# KiCad board P5S533-TVM ISA R101G.kicad_pcb (continued)
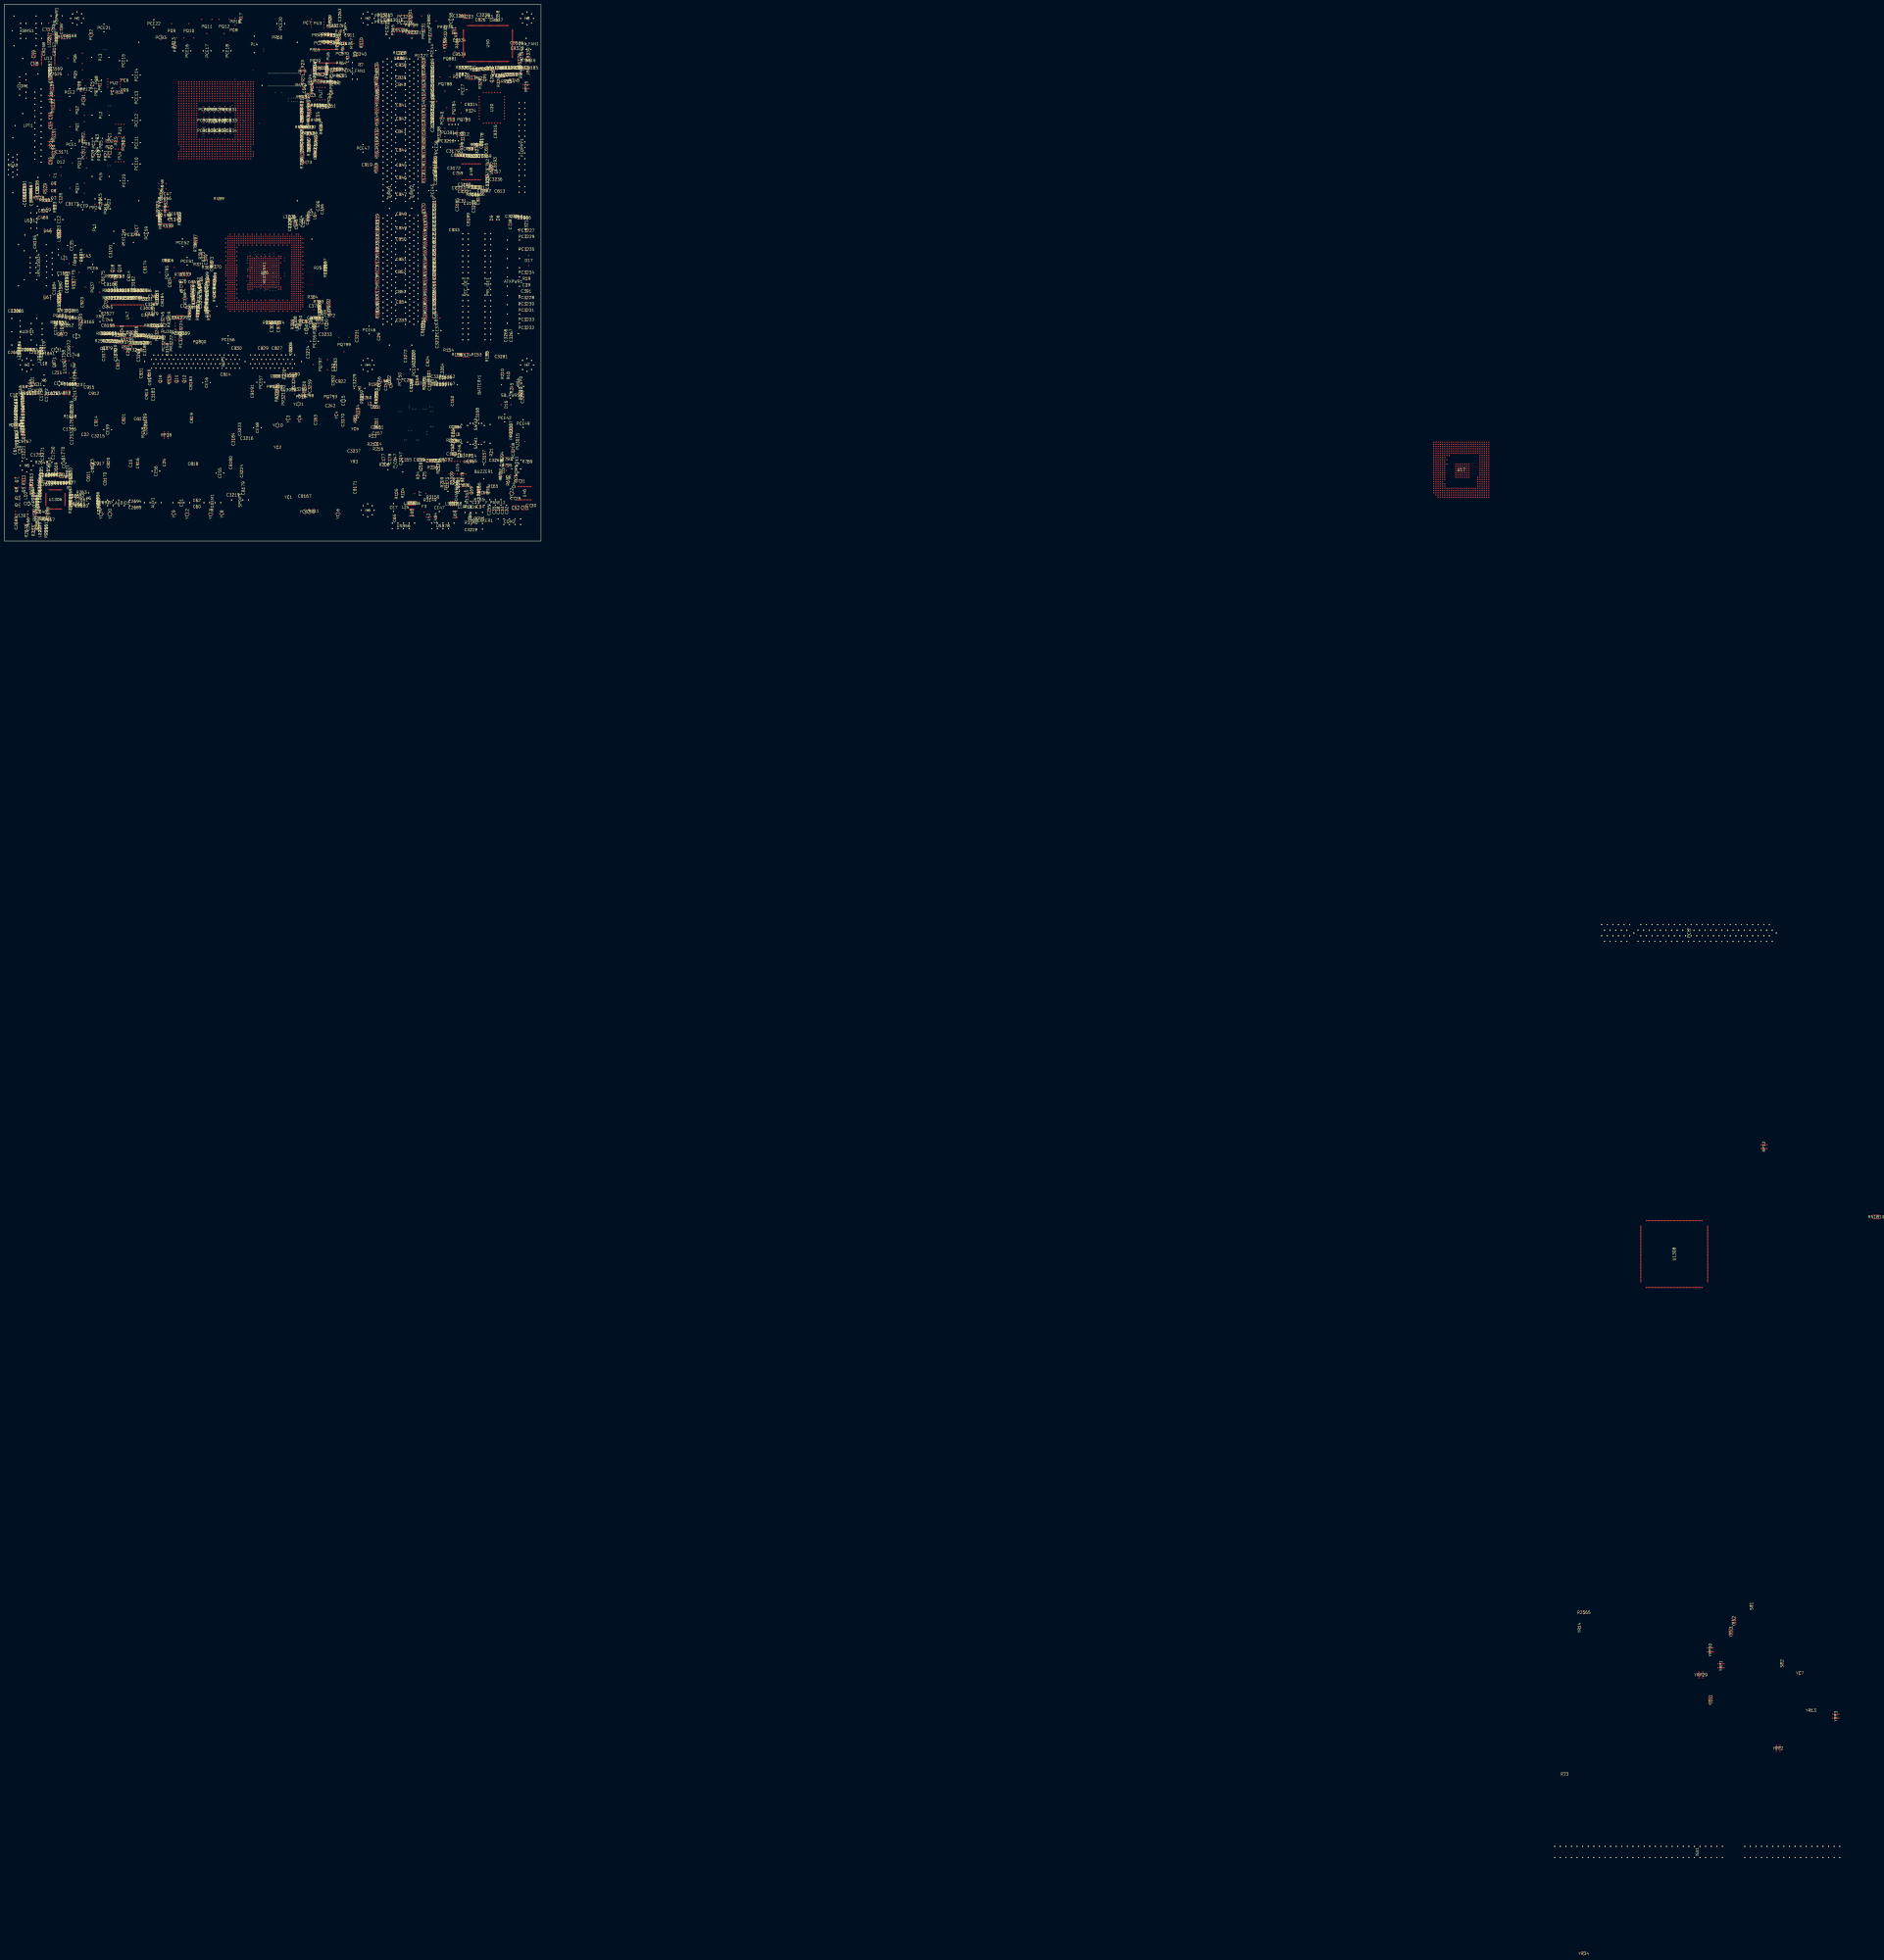
[diagram p0: board, top side]
## Nets (continued)
/MDD20: DIMM1.114 DIMM2.114 RN44.6 RN67.1
/MDD21: DIMM1.117 DIMM2.117 RN52.1 RN64.4
/MDD22: DIMM1.121 DIMM2.121 RN50.6 RN51.5
/MDD23: DIMM1.123 DIMM2.123 RN69.2 RN81.3
/MDD24: DIMM1.33 DIMM2.33 RN69.6 RN79.3
/MDD25: DIMM1.35 DIMM2.35 RN53.4 RN76.1
/MDD26: DIMM1.131 DIMM2.131 RN56.2 RN74.3
/MDD27: DIMM1.40 DIMM2.40 RN56.6 RN74.7
/MDD28: DIMM1.126 DIMM2.126 RN69.8 RN79.5
/MDD29: DIMM1.127 DIMM2.127 RN53.2 RN79.7
/MDD30: DIMM1.39 DIMM2.39 RN56.4 RN74.5
/MDD31: DIMM1.133 DIMM2.133 RN56.8 RN72.1
/MDD32: DIMM1.53 DIMM2.53 RN59.2 RN70.5
/MDD33: DIMM1.55 DIMM2.55 RN59.8 RN65.3
/MDD34: DIMM1.57 DIMM2.57 RN62.2 RN65.7
/MDD35: DIMM1.60 DIMM2.60 RN49.1 RN66.2
/MDD36: DIMM1.146 DIMM2.146 RN59.4 RN70.7
/MDD37: DIMM1.147 DIMM2.147 RN59.6 RN65.1
/MDD38: DIMM1.150 DIMM2.150 RN61.3 RN62.6
/MDD39: DIMM1.151 DIMM2.151 RN61.5 RN62.8
/MDD40: DIMM1.61 DIMM2.61 RN49.3 RN66.4
/MDD41: DIMM1.64 DIMM1.80 DIMM2.64 DIMM2.80 RN41.7 RN48.5 RN68.2 RN75.6
/MDD42: DIMM1.68 DIMM2.68 RN46.5 RN73.2
/MDD43: DIMM1.69 DIMM2.69 RN46.7 RN73.4
/MDD44: DIMM1.153 DIMM2.153 RN49.5 RN66.6
/MDD45: DIMM1.155 DIMM1.171 DIMM2.155 DIMM2.171 R223.2 RN41.5 RN48.3 RN75.4
/MDD46: DIMM1.161 DIMM2.161 RN45.1 RN73.6
/MDD47: DIMM1.162 DIMM2.162 RN45.3 RN73.8
/MDD48: DIMM1.72 DIMM2.72 RN45.5 RN71.2
/MDD49: DIMM1.73 DIMM2.73 RN45.7 RN71.4
/MDD50: DIMM1.79 DIMM2.79 RN41.3 RN75.2
/MDD56: DIMM1.83 DIMM2.83 RN38.1 RN80.4
/MDD57: DIMM1.84 DIMM2.84 RN38.3 RN80.6
/MDD58: DIMM1.87 DIMM2.87 RN36.5 RN82.6
/MDD59: DIMM1.88 DIMM2.88 RN36.7 RN82.8
/MDD62: DIMM1.178 DIMM2.178 RN36.1 RN82.2
/MDD63: DIMM1.179 DIMM2.179 RN36.3 RN82.4
/MDI0+: LAN_USB34.10 R1661.2
/MDI0-: LAN_USB34.11 R1662.2
/MDI1+: LAN_USB34.12 R1663.2
/MDI1-: LAN_USB34.13 R1664.2
/MDI2+: LAN_USB34.14 R1665.2
/MDI2-: LAN_USB34.15 R1666.2
/MDI3+: LAN_USB34.16 R1667.2
/MDI3-: LAN_USB34.17 R1668.2
/MDI_0+-: C1773.2 R1661.1 R1662.1
/MDI_1+-: C1774.2 R1663.1 R1664.1
/MDI_2+-: C1775.2 R1665.1 R1666.1
/MDI_3+-: C1781.2 R1667.1 R1668.1
/MEMCS16#: ISA1.63 U1308.67 YRN1.5
/MEMR#: ISA1.89 U1308.83 YRP29.7
/MEMW#: ISA1.90 U1308.82 YRP29.9
/MIC1_CEN: C2647.1 U1306.21
/MIC2_BASS: C2648.1 U1306.22
/MODEM_IN: C62.2 U1306.13
/MODEM_OUT: C60.2 U1306.37
/MSCLK: RN194.1 U17.227
/MSDATA: RN194.7 U17.203
/MSID0: LGA775.748 R479.2
/MSID1: LGA775.732 R502.2
/MTRA#: FLOPPY1.10 U50.4
/NB_PWROK: C10.1 C40.2 Q3021.3 R14.1 R15.2 RN1.8 U15.2 U26.239 U50.71
/NBAGPCLK: C775.2 R3539.2 U26.472
/NBHCLK: R2534.2 R2535.1 U26.187
/NBHCLK#: R2536.2 R2537.1 U26.189
/NBHVREF: C346.1 C347.1 C348.1 Q26.2 R369.1 R371.2 R506.2 U26.40 U26.609 U26.711 U26.760 U26.810
/NBZCLK: C763.2 R2541.2 U26.206
/NC__1364: D6.2
/NC__1365: U1308.33
/NC__1366: U1308.34
/NC__1367: YRP29.8
/NC__1368: YRP1.9
/NC__1369: PRN400.7
/NC__1370: PRN400.8
/NC__1371: RN10.5
/NC__1372: RN10.6
/NC__1373: RN10.7
/NC__1374: RN10.8
/NC__1375: RN13.7
/NC__1376: RN13.8
/NC__1377: RN12.1
/NC__1378: RN12.2
/NC__1379: RN29.3
/NC__1380: RN29.4
/NC__1381: RN54.7
/NC__1382: RN40.1
/NC__1383: RN40.3
/NC__1384: RN78.7
/NC__1385: RN78.8
/NC__1386: RN68.7
/NC__1387: RN68.8
/NC__1388: RN66.7
/NC__1389: RN66.8
/NC__1390: RN64.7
/NC__1391: RN64.8
/NC__1392: RN50.7
/NC__1393: RN50.8
/NC__1394: YRN2.7
/NC__1395: RN17.1
/NC__1396: RN17.2
/NC__1397: RN17.3
/NC__1398: RN17.4
/NC__1399: RN195.1
/NC__1400: RN195.2
/NC__1401: RN195.3
/NC__1402: RN195.4
/NC__1403: RN8.1
/NC__1404: RN8.2
/NC__1405: RN8.7
/NC__1406: RN8.8
/NC__1407: RN11.7
/NC__1408: RN11.8
/NC__1409: RN28.5
/NC__1410: RN28.6
/NC__1411: RN28.7
/NC__1412: RN28.8
/NC__1413: RP3.8
/NC__1414: RP3.9
/NC__1415: RP4.1
/NC__1416: RP4.6
/NC__1417: RP4.7
/NC__1418: RP4.8
/NC__1419: RP4.9
/NC__1420: RP28.2
/NC__1421: RP25.4
/NC__1422: RP25.7
/NC__1423: RP25.8
/NC__1424: PCI2.11
/NC__1425: PCI2.13
/NC__1426: PCI2.66
/NC__1427: PCI2.71
/NC__1428: PCI2.72
/NC__1429: PCI2.73
/NC__1430: PCI2.76
/NC__1438: AGP1.5
/NC__1439: AGP1.7
/NC__1440: AGP1.25
/NC__1441: AGP1.27
/NC__1442: AGP1.66
/NC__1443: AGP1.69
/NC__1444: AGP1.87
/NC__1445: AUDIO1.4
/NC__1446: AUDIO1.23
/NC__1447: AUDIO1.33
/NC__1448: KBMS1.2
/NC__1449: KBMS1.6
/NC__1450: KBMS1.8
/NC__1451: KBMS1.12
/NC__1452: USB78.10
/NC__1453: USB56.10
/NC__1454: FP_AUDIO1.7
/NC__1455: F_PANEL1.9
/NC__1456: PLED1.2
/NC__1457: DIMM2.9
/NC__1458: DIMM2.10
/NC__1459: DIMM2.44
/NC__1460: DIMM2.45
/NC__1461: DIMM2.47
/NC__1462: DIMM2.49
/NC__1463: DIMM2.51
/NC__1464: DIMM2.71
/NC__1465: DIMM2.82
/NC__1466: DIMM2.101
/NC__1467: DIMM2.102
/NC__1468: DIMM2.103
/NC__1469: DIMM2.134
/NC__1470: DIMM2.135
/NC__1471: DIMM2.140
/NC__1472: DIMM2.142
/NC__1473: DIMM2.144
/NC__1474: DIMM2.163
/NC__1475: DIMM2.167
/NC__1476: DIMM2.173
/NC__1477: DIMM2.185
/NC__1478: DIMM2.186
/NC__1479: DIMM2.187
/NC__1480: DIMM1.9
/NC__1481: DIMM1.10
/NC__1482: DIMM1.44
/NC__1483: DIMM1.45
/NC__1484: DIMM1.47
/NC__1485: DIMM1.49
/NC__1486: DIMM1.51
/NC__1487: DIMM1.71
/NC__1488: DIMM1.82
/NC__1489: DIMM1.101
/NC__1490: DIMM1.102
/NC__1491: DIMM1.103
/NC__1492: DIMM1.134
/NC__1493: DIMM1.135
/NC__1494: DIMM1.140
/NC__1495: DIMM1.142
/NC__1496: DIMM1.144
/NC__1497: DIMM1.163
/NC__1500: DIMM1.185
/NC__1501: DIMM1.186
/NC__1502: DIMM1.187
/NC__1503: VGA1.4
/NC__1504: VGA1.11
/NC__1505: SEC_IDE1.32
/NC__1506: PRI_IDE1.32
/NC__1507: FLOPPY1.4
/NC__1508: FLOPPY1.6
/NC__1509: FLOPPY1.12
/NC__1510: FLOPPY1.16
/NC__1511: U1304.7
/NC__1512: U1307.4
/NC__1513: U1307.5
/NC__1514: U50.2
/NC__1515: U50.7
/NC__1516: U50.19
/NC__1517: U50.59
/NC__1518: U50.60
/NC__1519: U50.77
/NC__1520: U50.91
/NC__1521: U50.105
/NC__1522: U50.106
/NC__1523: U50.107
/NC__1524: U50.108
/NC__1525: U50.109
/NC__1526: U50.110
/NC__1527: U50.116
/NC__1528: U50.119
/NC__1529: U50.121
/NC__1530: U50.122
/NC__1531: U50.123
/NC__1532: U50.124
/NC__1533: U50.125
/NC__1534: U50.126
/NC__1535: U50.127
/NC__1536: U50.128
/NC__1541: ITP1.4
/NC__1542: ITP1.6
/NC__1543: ITP1.10
/NC__1544: ITP1.12
/NC__1545: ITP1.16
/NC__1546: ITP1.18
/NC__1547: ITP1.21
/NC__1548: ITP1.22
/NC__1549: ITP1.23
/NC__1550: ITP1.24
/NC__1551: ITP1.27
/NC__1552: ITP1.28
/NC__1553: ITP1.29
/NC__1554: ITP1.30
/NC__1555: ITP1.33
/NC__1556: ITP1.34
/NC__1557: ITP1.35
/NC__1558: ITP1.36
/NC__1559: ITP1.45
/NC__1560: ITP1.47
/NC__1561: ITP1.55
/NC__1562: SATA2.8
/NC__1563: SATA2.9
/NC__1564: SATA1.8
/NC__1565: SATA1.9
/NC__1566: U47.26
/NC__1567: U48.18
/NC__1568: LGA775.23
/NC__1569: LGA775.35
/NC__1570: LGA775.52
/NC__1571: LGA775.69
/NC__1572: LGA775.84
/NC__1573: LGA775.101
/NC__1574: LGA775.103
/NC__1575: LGA775.105
/NC__1576: LGA775.189
/NC__1577: LGA775.341
/NC__1578: LGA775.342
/NC__1579: LGA775.343
/NC__1580: LGA775.380
/NC__1581: LGA775.406
/NC__1582: LGA775.428
/NC__1583: LGA775.441
/NC__1584: LGA775.443
/NC__1585: LGA775.450
/NC__1586: LGA775.461
/NC__1587: LGA775.462
/NC__1588: LGA775.479
/NC__1589: LGA775.507
/NC__1590: LGA775.513
/NC__1591: LGA775.523
/NC__1592: LGA775.547
/NC__1593: LGA775.576
/NC__1594: LGA775.655
/NC__1595: LGA775.656
/NC__1596: LGA775.672
/NC__1597: LGA775.733
/NC__1598: U1306.33
/NC__1599: U1306.39
/NC__1600: U1306.40
/NC__1601: U1306.41
/NC__1602: U1306.43
/NC__1603: U1306.44
/NC__1604: U1306.47
/NC__1605: U17.7
/NC__1606: U17.8
/NC__1607: U17.9
/NC__1608: U17.10
/NC__1609: U17.11
/NC__1610: U17.12
/NC__1611: U17.13
/NC__1612: U17.14
/NC__1613: U17.25
/NC__1614: U17.28
/NC__1615: U17.121
/NC__1616: U17.178
/NC__1617: U17.180
/NC__1618: U17.181
/NC__1619: U17.183
/NC__1620: U17.184
/NC__1621: U17.199
/NC__1622: U17.202
/NC__1623: U17.204
/NC__1624: U17.205
/NC__1625: U17.206
/NC__1626: U17.207
/NC__1627: U17.208
/NC__1628: U17.209
/NC__1629: U17.210
/NC__1630: U17.231
/NC__1631: U17.233
/NC__1632: U17.234
/NC__1633: U17.236
/NC__1634: U17.256
/NC__1635: U17.257
/NC__1636: U17.258
/NC__1637: U17.260
/NC__1638: U17.261
/NC__1639: U17.263
/NC__1640: U17.288
/NC__1641: U17.302
/NC__1642: U17.331
/NC__1643: U17.334
/NC__1644: U17.335
/NC__1645: U17.342
/NC__1646: U17.343
/NC__1647: U17.344
/NC__1648: U17.345
/NC__1649: U17.346
/NC__1650: U17.360
/NC__1651: U17.361
/NC__1652: U17.362
/NC__1653: U17.363
/NC__1654: U17.364
/NC__1655: U17.378
/NC__1656: U17.379
/NC__1657: U17.380
/NC__1658: U17.381
/NC__1659: U17.382
/NC__1660: U17.396
/NC__1661: U17.397
/NC__1662: U17.398
/NC__1663: U17.399
/NC__1664: U17.400
/NC__1665: U17.415
/NC__1666: U17.416
/NC__1667: U17.417
/NC__1668: U17.490
/NC__1669: U17.497
/NC__1670: U30.5
/NC__1671: U30.6
/NC__1672: U30.18
/NC__1673: U30.19
/NC__1674: U30.20
/NC__1675: U30.21
/NC__1676: U30.22
/NC__1677: U26.4
/NC__1678: U26.233
/NC__1679: U26.240
/NC__1680: U26.269
/NC__1681: U26.274
/NC__1682: U26.324
/NC__1683: U26.343
/NC__1684: U26.359
/NC__1685: U26.468
/NC__1686: U26.469
/NC__1687: U26.510
/NC__1688: U26.542
/NC__1689: U26.543
/NC__1690: U15.11
/NOWS#: ISA1.8 U1308.75 YRN1.1
/OC01#: R92.1 R93.1 U17.219 U17.221
/OC23#: R98.1 R99.1 U17.246 U17.247
/OC45#: R104.1 R105.1 U17.245 U17.271
/OC67#: R3149.1 R3150.1 U17.270 U17.294
/OD#_10: PC37.1 PR67.2 PU1.3 PU2.3 PU3.3 PU4.3 PU6.15
/OSC12MIN: C147.1 R195.2 U17.272 X1.2
/OSC12MOUT: C146.1 R195.1 U17.273 X1.1
/P4PWROK: C50.1 ITP1.39 LGA775.652 Q1.3 R61.1 R487.2 R778.2
/P4PWROK_NB: Q1.2 R778.1 U26.550
/P4PWROK_SIO: R61.2 U50.92
/PAR: PCI2.45 U17.402 U1308.11
/PCIRST#: PCI2.17 U50.89 U1308.135
/PCLK963: C791.2 R2573.2 U17.486
/PCLK_LAN: C788.2 R2571.2
/PCLKS1: PCI2.78 R2568.2
/PCLKS2: R2565.2 U1308.137
/PCLKS3: C617.1 R2570.2
/PCLKSIO: C786.2 R2569.2 U50.21
/PDA0: PRI_IDE1.35 U17.108
/PDA1: PRI_IDE1.33 U17.160
/PDA2: PRI_IDE1.36 U17.82
/PDCS1#: PRI_IDE1.37 U17.161
/PDCS3#: PRI_IDE1.38 U17.135
/PDD0: PRI_IDE1.17 U17.158
/PDD1: PRI_IDE1.15 U17.105
/PDD2: PRI_IDE1.13 U17.157
/PDD3: PRI_IDE1.11 U17.104
/PDD4: PRI_IDE1.9 U17.156
/PDD5: PRI_IDE1.7 U17.103
/PDD6: PRI_IDE1.5 U17.155
/PDD7: PRI_IDE1.3 R5.1 R155.1 U17.154
/PDD8: PRI_IDE1.4 U17.128
/PDD9: PRI_IDE1.6 U17.129
/PDD10: PRI_IDE1.8 U17.77
/PDD11: PRI_IDE1.10 U17.130
/PDD12: PRI_IDE1.12 U17.78
/PDD13: PRI_IDE1.14 U17.131
/PDD14: PRI_IDE1.16 U17.79
/PDD15: PRI_IDE1.18 U17.132
/PDDACK#: PRI_IDE1.29 U17.107
/PDDREQ: PRI_IDE1.21 RN24.1 U17.106
/PDIOR#: PRI_IDE1.25 U17.159
/PDIORDY: PRI_IDE1.27 R153.1 U17.133
/PDIOW#: PRI_IDE1.23 U17.80
/PE: RN189.2 U50.32
/PERR#: PCI2.102 RP12.7 U1308.9
/PHASE1_10: PC1.2 PC2.1 PL2.2 PQ1.3 PQ2.3 PQ3.2 PQ4.2 PR2.2 PR48.1 PR56.1 PU1.7
/PHASE2_10: PC10.2 PC11.1 PL5.2 PQ13.3 PQ14.3 PQ15.2 PQ16.2 PR20.1 PR50.1 PR57.1 PU4.7
/PHASE3_10: PC7.2 PC8.1 PL4.2 PQ9.3 PQ10.3 PQ11.2 PQ12.2 PR14.1 PR53.1 PR58.1 PU3.7
/PHASE4_10: PC4.2 PC5.1 PL3.2 PQ5.3 PQ6.3 PQ7.2 PQ8.2 PR8.2 PR54.1 PR55.1 PU2.7
/PIN120: R358.2 U50.120
/PINIT#: CN5.5 LPT1.16 RN190.7 RP24.2
/PLOCK#: PCI2.101 RP12.8 U17.383 U1308.8
/PME#: AGP1.47 PCI2.21 Q36.3 R448.2 R793.1 R794.1 R1669.1 U17.5
/PPDGNT#: U1308.131 YR13.2
/PPDREQ#: U1308.132 YR14.2
/PPME1#: R793.2 R795.1 WOL1.3
/PROCHOT#: LGA775.279 R493.2 U17.91
/PS2VCC: C737.1 KBMS1.4 KBMS1.10 L100.2 RN193.2 RN193.4 RN193.6 RN193.8
/PSON#: ATXPWR1.14 C391.1 Q3021.1 R772.2 R3212.1 RN174.3 U15.9 U15.10 U17.229
/PWM1_10: PU1.2 PU6.27
/PWM2_10: PU4.2 PU6.26
/PWM3_10: PU3.2 PU6.25
/PWM4_10: PU2.2 PU6.24
/PWMVCC_20: PC24.1 PR46.2 PR65.2 PU6.28
/PWRBTN#: C257.2 R168.1 R169.1 R770.2 U17.226
/PWRBTN#_SIO: RN174.5 U50.67
/PWROK_PS: C39.1 PR437.2 R19.1 U50.87
/PWRSW#: C33.2 F_PANEL1.6 R169.2
/R14M963: C314.1 R73.1 R766.1 R2557.1 U47.2
/R_HG1_20: PR1.1 PU1.8
/R_HG2_20: PR19.1 PU4.8
/R_HG3_20: PR13.1 PU3.8
/R_HG4_20: PR7.1 PU2.8
/RACK#: CN3.3 LPT1.10 RN189.5 RP23.3
/RAGPCLK: R2540.1 U47.30
/RAMPADJ_20: PR65.1 PU6.14
/RBF#: AGP1.77 U26.471
/RBUSY: CN3.5 LPT1.11 RN189.3 RP23.2
/RCLK_14_660: R262.1 R2556.1 R2561.1 U47.3
/RCPUCLK: R2529.1 U47.44
/RCPUCLK#: R2531.1 U47.43
/RDATA#: FLOPPY1.30 RP25.1 U50.15
/RED: C139.1 L45.2 VGA1.1
/REFRESH#: ISA1.19 SR2.1 U1308.65
/REQ0#: RN1813.1 U17.248
/REQ1#: PCI2.80 RN1813.3 U17.277
/REQ2#: RN1813.5 U17.276 U1308.139
/REQ3#: RN1813.7 U17.275
/REQ4#: RP28.4 U17.274
/REQ5#: R24.1 R25.2 U17.27
/REQ64A#: PCI2.60 RP28.1
/REQ64C#: RP28.3
/RERROR#: CN5.7 LPT1.15 RN190.5 RP24.1
/RFWDSDCLK: R2574.1 U26.221
/RGTLREF_SEL: Q9.1 Q26.1 R532.2 R533.2
/RI1#: U13.12 U50.57
/RI2#: U46.12 U50.85
/RING#: Q6.3 R792.2 RN1.3 U17.201
/RIO48M: C326.1 R2554.1 R3234.2 U47.27
/RKBCLK: L99.2 RN193.5 RN194.4
/RKBDATA: L98.1 RN193.3 RN194.6
/RMSCLK: L102.2 RN193.7 RN194.2
/RMSDATA: L101.1 RN193.1 RN194.8
/RNBAGPCLK: R3539.1 U47.31
/RNBHCLK: R2534.1 U47.40
/RNBHCLK#: R2536.1 U47.39
/RNBZCLK: R2541.1 U47.9
/RPCLKS1: C328.1 R2568.1 U47.16
/RPCLKS2: C325.1 R2565.1 U47.17
/RPCLKS3: C331.1 R2570.1 U47.20
/RPCLKS4: R2569.1 U47.21
/RPCLKS5: R2573.1 U47.22
/RPCLKS6: R2571.1 RN195.5 U47.12
/RPCLKS7: C908.1 R773.1 RN195.7 U47.14
/RPCLKS8: C909.1 R3239.1 R3240.1 U47.15
/RPE: CN3.7 LPT1.12 RN189.1 RP23.1
/RRI1#: CN8.1 COM1.9 D4.2 U13.9
/RRI2#: CN1.1 COM2.9 D4.1 U46.9
/RRTS1#: CN9.1 COM1.7 U13.5
/RRTS2#: CN2.1 COM2.7 U46.5
/RSATACLKC: R3237.1 U47.46
/RSATACLKT: R3235.1 U47.47
/RSBZCLK: R2542.1 U47.10
/RSLCT: C732.1 LPT1.13 R2525.1 R2526.2
/RSPDIFIN: R2666.1 R2668.2 SPDIF1.3 U1306.48
/RSTCON: C32.2 C655.1 F_PANEL1.7 ITP1.48 LGA775.67 R14.2 R171.1 R2528.1 U15.1
/RSTCON#_SPIO: RN1.2 U50.69
/RSTDRV: ISA1.2 U1308.35
/RT_10: PR62.1 PR64.1 PU6.13
/RT_G_10: PC35.1 PR62.2
/RTCX1: C177.1 R208.1 U17.197 X7.1
/RTCX2: C178.1 R208.2 U17.196 X7.2
/RTS1#: R48.1 RN203.1 U13.16 U50.51
/RTS2#: U46.16 U50.80
/RXD1: U13.17 U50.53
/RXD2: C830.1 IR_CON1.3 U46.17 U50.82
/SA0: ISA1.62 U1308.85
/SA1: ISA1.61 U1308.86
/SA2: ISA1.60 U1308.87
/SA3: ISA1.59 U1308.88
/SA4: ISA1.58 U1308.89
/SA5: ISA1.57 U1308.90
/SA6: ISA1.56 U1308.92
/SA7: ISA1.55 U1308.94
/SA8: ISA1.54 U1308.95
/SA9: ISA1.53 U1308.96
/SA10: ISA1.52 U1308.97
/SA11: ISA1.51 U1308.98
/SA12: ISA1.50 U1308.99
/SA13: ISA1.49 U1308.100
/SA14: ISA1.48 U1308.102
/SA15: ISA1.47 U1308.103
/SA16: ISA1.46 U1308.112
/SA17: ISA1.45 ISA1.88 U1308.113
/SA18: ISA1.44 ISA1.87 U1308.114
/SA19: ISA1.43 ISA1.86 U1308.115
/SATA_ACT: D6.1 R246.1 U17.44
/SATAAVDD: C16.1 C17.1 L4.2 U17.30 U17.31 U17.32 U17.33 U17.34 U17.46
/SATACLKC: R3237.2 R3238.1 U17.148
/SATACLKT: R3235.2 R3236.1 U17.122
/SATACMPAVSS: C238.1 C240.1 JP2.2 R249.1 U17.97
/SATARXAVDD: C152.2 C167.1 L5.2 U17.147
/SATATXAVDD: C18.1 C19.1 L7.2 U17.496
/SB_PWROK: C647.1 R15.1 U15.6 U17.223
/SBA0: AGP1.80 U26.397
/SBA1: AGP1.18 U26.505
/SBA2: AGP1.82 U26.396
/SBA3: AGP1.20 U26.503
/SBA4: AGP1.85 U26.539
/SBA5: AGP1.23 U26.466
/SBA6: AGP1.86 U26.538
/SBA7: AGP1.24 U26.502
/SBHE#: ISA1.81 U1308.84
/SBPCIRST#: U17.172 U26.272 U30.2 U50.30
/SBSTB: AGP1.83 U26.431
/SBSTB#: AGP1.21 U26.467
/SBV01: C489.1 C832.1 CE2.1 L19.2 USB12.1 USB12.5
/SBV23: CB105.1 CE35.1 L21.2 LAN_USB34.7 LAN_USB34.8
/SBV45: C65.1 CE7.1 L25.2 USB56.1 USB56.2
/SBV67: C484.1 CE47.1 L42.2 USB78.1 USB78.2
/SBZCLK: C764.2 R2542.2 U17.66
/SD0: ISA1.40 U1308.104 YRP2.9
/SD1: ISA1.39 U1308.105 YRP2.8
/SD2: ISA1.38 U1308.106 YRP2.7
/SD3: ISA1.37 U1308.107 YRP2.6
/SD4: ISA1.36 U1308.108 YRP2.4
/SD5: ISA1.35 U1308.109 YRP2.3
/SD6: ISA1.34 U1308.110 YRP2.2
/SD7: ISA1.33 U1308.111 YRP2.1
/SD8: ISA1.91 U1308.122 YRP3.2
/SD9: ISA1.92 U1308.123 YRP3.1
/SD10: ISA1.93 U1308.124 YRP3.3
/SD11: ISA1.94 U1308.125 YRP3.4
/SD12: ISA1.95 U1308.126 YRP3.9
/SD13: ISA1.96 U1308.127 YRP3.8
/SD14: ISA1.97 U1308.128 YRP3.7
/SD15: ISA1.98 U1308.129 YRP3.6
/SDA0: SEC_IDE1.35 U17.115
/SDA1: SEC_IDE1.33 U17.167
/SDA2: SEC_IDE1.36 U17.168
/SDCS1#: SEC_IDE1.37 U17.142
/SDCS3#: SEC_IDE1.38 U17.169
/SDD0: SEC_IDE1.17 U17.165
/SDD1: SEC_IDE1.15 U17.112
/SDD2: SEC_IDE1.13 U17.164
/SDD3: SEC_IDE1.11 U17.111
/SDD4: SEC_IDE1.9 U17.163
/SDD5: SEC_IDE1.7 U17.110
/SDD6: SEC_IDE1.5 U17.162
/SDD7: R6.1 R156.1 SEC_IDE1.3 U17.109
/SDD8: SEC_IDE1.4 U17.83
/SDD9: SEC_IDE1.6 U17.136
/SDD10: SEC_IDE1.8 U17.84
/SDD11: SEC_IDE1.10 U17.137
/SDD12: SEC_IDE1.12 U17.85
/SDD13: SEC_IDE1.14 U17.138
/SDD14: SEC_IDE1.16 U17.86
/SDD15: SEC_IDE1.18 U17.139
/SDDACK#: SEC_IDE1.29 U17.114
/SDDREQ: RN24.5 SEC_IDE1.21 U17.113
/SDIOR#: SEC_IDE1.25 U17.166
/SDIORDY: R154.1 SEC_IDE1.27 U17.140
/SDIOW#: SEC_IDE1.23 U17.87
/SEL: R3232.2 U48.9
/SERR#: PCI2.104 RP12.6 U17.403 U1308.10
/SIO_GP24: R26.1 R30.2 U50.66
/SIO_GP25: R27.1 R31.2 U50.65
/SIO_GP26: R28.1 R32.2 U50.63
/SIO_GP27: R29.1 R33.2 U50.62
/SIO_PME#: RN174.1 U17.252 U50.86
/SIRQ: RN174.7 U17.146 U50.23 U1308.134
/SLCT: R2525.2 U50.31
/SLIN#: CN3.1 LPT1.17 RN189.7 RP23.4
/SLP#: LGA775.621 R22.1 R484.1 U17.89
/SMBCK: C174.2 C232.1 C336.1 C754.1 DIMM1.92 DIMM2.92 ITP1.53 PCI2.42 R212.2 U17.42 U47.35 U48.7
/SMBDA: C172.2 C231.1 C335.1 C753.1 DIMM1.91 DIMM2.91 ITP1.51 PCI2.43 R206.2 U17.41 U47.34 U48.22
/SMEMR#: ISA1.12 U1308.77 YRP29.3
/SMEMW#: ISA1.11 U1308.76 YRP29.4
/SPD0: CN4.1 LPT1.2 RN191.3 RP24.9
/SPD1: CN4.7 LPT1.3 RN191.7 RP24.7
/SPD2: CN4.3 LPT1.4 RN191.1 RP24.6
/SPD3: CN4.5 LPT1.5 RN191.5 RP24.8
/SPD4: CN6.1 LPT1.6 RN192.1 RP23.9
/SPD5: CN6.3 LPT1.7 RN192.3 RP23.7
/SPD6: CN6.5 LPT1.8 RN192.7 RP23.8
/SPD7: CN6.7 LPT1.9 RN192.5 RP23.6
/SPK: R166.2 R205.1 U17.93
/SPKO: BUZZER1.2 C255.1 R165.1 SPEAKER1.4
/SRRXD1: CN9.3 COM1.2 U13.4
/SRRXD2: CN2.3 COM2.2 U46.4
/SRX1+: SATA1.6 U17.150
/SRX1-: SATA1.5 U17.124
/SRX2+: SATA2.6 U17.152
/SRX2-: SATA2.5 U17.126
/ST0: AGP1.75 U26.400
/ST1: AGP1.13 U26.540
/ST2: AGP1.76 U26.399
/STB#: CN5.1 LPT1.1 RN190.1 RP24.4
/STEP#: FLOPPY1.20 U50.9
/STOP#: PCI2.40 RP12.3 U17.404 U1308.7
/STTXD1: CN8.7 COM1.3 U13.6
/STTXD2: CN1.7 COM2.3 U46.6
/STX1+: SATA1.2 U17.99
/STX1-: SATA1.3 U17.73
/STX2+: SATA2.2 U17.101
/STX2-: SATA2.3 U17.75
/SUSC_S3: R17.1 U17.171
/SUSC_S3_SIO: R10.1 R17.2 U50.73
/SUSC_S5: R18.1 U17.3
/SUSC_S5_SIO: R16.1 R18.2 U50.64
/SW1_10: PR56.2 PU6.23
/SW2_10: PR57.2 PU6.22
/SW3_10: PR58.2 PU6.21
/SW4_10: PR55.2 PU6.20
/SZCMPN: R204.2 U17.38
/SZCMPP: R214.2 U17.39
/T_CSSUM_10: PR59.1 PR60.1 PR61.1
/TC: ISA1.27 U1308.64 YRN3.5
/TESTHI00: C1345.1 LGA775.510 Q9.2 R496.1 R1495.2
/TESTHI01: LGA775.750 RN13.3
/TESTHI02: LGA775.508 LGA775.509 LGA775.537 LGA775.538 LGA775.539 LGA775.540 R497.1
/TESTHI8: LGA775.516 RN12.5
/TESTHI9: LGA775.517 RN12.7
/TESTHI10: LGA775.548 RN12.3
/TESTHI11: LGA775.668 RN13.5
/TESTHI12: LGA775.749 RN13.1
/TESTMODE0: R378.1 U26.404
/TESTMODE1: R377.1 U26.403
/TESTMODE2: R376.1 U26.438
/THERM#: R21.1 U17.498 U50.5
/THERMAL_CPU-: C37.2 CB326.2 CB327.2 JP4.2 LGA775.248 R341.2 R342.2
/TRAFFICLED#: C1776.1 LAN_USB34.21 RN877.6
/TRAP0: R380.1 U26.474
/TRAP1: R379.1 U26.541
/TRCPU: CB326.1 R339.1 R341.1 U50.102
/TRDY#: PCI2.38 RP12.1 U17.385 U1308.5
/TRK0#: FLOPPY1.26 RP25.9 U50.13
/TRMB: CB327.1 R340.1 R342.1 U50.104
/TXD1: RN203.5 U13.15 U50.54
/TXD2: C831.1 IR_CON1.5 RN203.7 U46.15 U50.83
/USB01F+5V: F5.2 L19.1 R92.2
/USB23F+5V: F6.2 L21.1 R98.2
/USB45F+5V: F7.2 L25.1 R104.2
/USB67F+5V: F3.2 L42.1 R3149.2
/USB_LP0+: L3032.3 RN4.2 U66.1 USB12.3
/USB_LP0-: L3032.2 RN4.4 U66.6 USB12.2
/USB_LP1+: L3033.3 RN4.6 U66.3 USB12.7
/USB_LP1-: L3033.2 RN4.8 U66.4 USB12.6
/USB_LP2+: L3034.3 LAN_USB34.3 RN5.6 U67.4
/USB_LP2-: L3034.2 LAN_USB34.5 RN5.8 U67.3
/USB_LP3+: L3035.3 LAN_USB34.4 RN5.2 U67.6
/USB_LP3-: L3035.2 LAN_USB34.6 RN5.4 U67.1
/USB_LP4+: L3036.3 RN6.2 U68.1 USB56.6
/USB_LP4-: L3036.2 RN6.4 U68.6 USB56.4
/USB_LP5+: L3037.3 RN6.6 U68.3 USB56.5
/USB_LP5-: L3037.2 RN6.8 U68.4 USB56.3
/USB_LP6+: L3038.3 RN7.2 U69.4 USB78.5
/USB_LP6-: L3038.2 RN7.4 U69.3 USB78.3
/USB_LP7+: L3039.3 RN7.6 U69.6 USB78.6
/USB_LP7-: L3039.2 RN7.8 U69.1 USB78.4
/USB_P0+: L3032.4 RN4.1 U17.312
/USB_P0-: L3032.1 RN4.3 U17.311
/USB_P1+: L3033.4 RN4.5 U17.322
/USB_P1-: L3033.1 RN4.7 U17.321
/USB_P2+: L3034.4 RN5.5 U17.216
/USB_P2-: L3034.1 RN5.7 U17.242
/USB_P3+: L3035.4 RN5.1 U17.20
/USB_P3-: L3035.1 RN5.3 U17.191
/USB_P4+: L3036.4 RN6.1 U17.214
/USB_P4-: L3036.1 RN6.3 U17.240
/USB_P5+: L3037.4 RN6.5 U17.18
/USB_P5-: L3037.1 RN6.7 U17.189
/USB_P6+: L3038.4 RN7.1 U17.212
/USB_P6-: L3038.1 RN7.3 U17.238
/USB_P7+: L3039.4 RN7.5 U17.16
/USB_P7-: L3039.1 RN7.7 U17.187
/USBCMPAVDD18: C148.1 C149.1 L48.1 U17.23 U17.296
/USBCMPAVDD33: C1.1 C2.1 C5.1 C6.1 L1.1 U17.244 U17.304 U17.305 U17.318
/USBREF: R4.1 U17.22
/V_12P: C1745.1 R20.2 R200.2
/V_+12VD1_20: PC3.1 PR3.2 PU1.4
/V_+12VD2_20: PC12.1 PR21.2 PU4.4
/V_+12VD3_20: PC9.1 PR15.2 PU3.4
/V_+12VD4_20: PC6.1 PR9.2 PU2.4
/VCOREFB_10: PC27.2 PC28.1 PC29.1 PR47.1 PR49.1 PU6.8
/VCOREFB_C: PC28.2 PR51.1
/VCOREIN: CB329.2 R348.2 R748.1 U50.100
/VGACK: C145.1 R192.2 RN28.1 VGA1.15
/VGADA: C144.1 R190.2 RN28.3 VGA1.12
/VHSYNC: C142.1 R188.2 VGA1.13
/VRAD: C2670.2 U1306.31
/VRDA: C2674.2 U1306.32
/VREF: R138.2 R339.2 R340.2 U50.101
/VREFOUT: C2658.2 R2664.1 RN1810.2 RN1810.4 U1306.28
/VRM_PWRGD_10: PR52.1 PR250.1 PR254.2 R756.1
/VRM_PWRGDL_10: PC31.1 PR250.2 PU6.10
/VTT_OUT_R: C51.1 C52.1 C55.1 C56.1 ITP1.43 ITP1.44 LGA775.34 PR71.2 PRN4.1 R122.2 R472.2 R475.2 R488.2 R493.1 R503.1 R504.1 R777.2 RN14.2 RN14.4 RN14.6 RN14.8 RN15.2 RN15.4 RN16.2 RN16.4 RN16.6 RN16.8 RP3.5 RP3.10
/VTT_PWRGD_10: LGA775.313 PC30.1 PQ24.3 PR71.1 PU6.11
/VTT_SEL: LGA775.511 R499.1
/VVSYNC: C143.1 R189.2 VGA1.14
/WBF#: AGP1.17 U26.398
/WDATA#: FLOPPY1.22 U50.10
/WGATE#: FLOPPY1.24 U50.11
/WOR: D24.1 D24.2 WOR1.3
/WPT#: FLOPPY1.28 RP25.6 U50.14
/XAFD#: RN190.4 U50.46
/XINIT#: RN190.8 U50.44
/XPD0: RN191.4 U50.42
/XPD1: RN191.8 U50.41
/XPD2: RN191.2 U50.40
/XPD3: RN191.6 U50.39
/XPD4: RN192.2 U50.38
/XPD5: RN192.4 U50.37
/XPD6: RN192.8 U50.36
/XPD7: RN192.6 U50.35
/XSLIN#: RN189.8 U50.43
/XSTB#: RN190.2 U50.47
/XTAL1: C630.1 X6.1
/XTAL2: C631.1 X6.2
/XTSEL: R2667.2 U1306.46
/Z1AVDD: C170.1 L49.2 U17.92
/Z1XAVDD: C350.1 C351.1 L63.1 U26.271
/Z4AVDD: C3210.1 L3029.2 U17.501
/Z4XAVDD: C307.1 C308.1 L55.1 U26.202
/ZAD0: U17.492 U26.176
/ZAD1: U17.493 U26.193
/ZAD2: U17.479 U26.184
/ZAD3: U17.480 U26.186
/ZAD4: U17.483 U26.173
/ZAD5: U17.468 U26.175
/ZAD6: U17.471 U26.163
/ZAD7: U17.470 U26.166
/ZAD8: U17.450 U26.149
/ZAD9: U17.472 U26.162
/ZAD10: U17.451 U26.150
/ZAD11: U17.432 U26.164
/ZAD12: U17.452 U26.97
/ZAD13: U17.434 U26.124
/ZAD14: U17.436 U26.120
/ZAD15: U17.414 U26.122
/ZAD16: U17.505 U26.203
/ZCMPN: R374.2 U26.100
/ZCMPP: R375.1 U26.99
/ZDREQ: R389.1 U17.502 U26.196
/ZSTB0: U17.481 U26.182
/ZSTB0#: U17.494 U26.183
/ZSTB1: U17.435 U26.121
/ZSTB1#: U17.454 U26.147
/ZUREQ: R388.1 U17.503 U26.204
/ZVREF: CB79.1 R382.1 R385.1 U26.195
/ZVREF_SB: C176.1 R11.1 R12.2 U17.40
/N384262: R1658.1
/N1793040: Q9.3 R1492.1
/N16841264: CE32.1 L18.1 Q871.2 R1651.1
/N16885254: Q872.1 R1652.2
/N17173786: C3150.1 R2574.2 R3156.1 R3157.1
/N17200133: CB328.1 CPU_FAN1.3 RN178.3 RN178.7
/N17200216: CB330.1 CHA_FAN1.1 RN178.1 RN178.5
/N17440333: PC3258.1 PRN400.2 PRN400.3
/N17440337: PC3259.1 PRN400.4 PRN400.5
/N17440351: PQ880.1 PR3231.1 PR3232.2
/N17575846: C795.1 C910.1 CPU_FAN1.2 J1.2 R747.1
/N17859421: R54.2 U30.7 U30.8
/N17897761: LGA775.253 R494.1
/N18087549: R789.2 WOR1.1
/N18950310: PC5.2 PR12.1
/N18950383: PC8.2 PR18.1
/N18950936: PC2.2 PR6.1
/N19011656: D4.3 D24.3 R65.2
/N19050916: R792.1
/N19136543: CHASSIS1.4 R70.1
/N19685442: C332.1 C3273.1 C3274.1 C3275.1 L108.1 U48.10
/N19978995: C60.1 MODEM1.4
/N19979012: C62.1 MODEM1.1
/N20061418: LGA775.223 TP24.1
/N20061504: LGA775.222 TP23.1
/N20061590: LGA775.192 TP22.1
/N20061676: LGA775.191 TP21.1
/N20062423: LGA775.312 TP12.1
/N20079489: AUDIO1.34 RN1812.4
/N20079504: AUDIO1.36 AUDIO1.37 AUDIO1.38 AUDIO1.39 C3285.1 C3286.1
/N20079531: AUDIO1.24 RN1812.6
/N20079558: AUDIO1.3 RN1812.8
/N20079585: Q3.1 Q4.1 Q5.3 RN1812.1
/N20079598: L11.1 Q4.2
/N20079603: Q5.1 RN11.5
/N20079605: L10.1 Q3.2
/N20079606: Q8.1 RN11.3
/N20079616: Q7.1 RN11.1
/N20299909: C794.1 CHA_FAN1.2 R315.1 R755.1
/N20835880: LGA775.589 TP32.1
/N20835967: LGA775.558 TP33.1
/N20836054: LGA775.559 TP34.1
/N20836786: LGA775.590 TP35.1
/N20873598: LGA775.717 TP36.1
/N20873690: LGA775.718 TP37.1
/N20873783: LGA775.486 R779.1
/N20878735: C45.1 R476.2 R477.2 R777.1
/N20945236: C64.1 R122.1 R780.2 R783.2
/N21044727: LGA775.490 TP46.1
/N21044814: LGA775.463 TP45.1
/N21052189: C66.1 LGA775.480 R506.1
/N21523121: Q2.1 RN10.3
/N21796021: Q19.1 R768.1 R776.2
/N21796053: Q18.1 R769.1 R771.2
/N22428433: PC3253.1 PQ800.1 PU3017.7
/N22542482: PR3203.1 PR3207.2 PU3015.1
/N22586228: PQ788.3 PQ881.2 PRN396.4
/N22597652: PQ788.1 PRN396.2 PRN401.6
/N22634514: PC3251.1 PD16.3 PU3018.8
/N22746988: Q33.1 R166.1
/N22908781: Q20.1 Q21.3 R325.1
/N22908787: Q21.1 R327.2 R328.2
/N23508198: ATXPWR1.8 R19.2
/N23508218: R3213.1 SB_PWR1.2
/N23510379: PC3221.1 PD15.3 PU3016.8
/N23510455: PC3217.1 PQ789.1 PRN397.1 PRN397.3
/N23510457: PRN397.4 PRN397.6
/N23510460: PRN397.5 PRN397.7
/N23517801: PQ785.1 PR3236.1
/N23517878: PQ797.3 PQ799.2 PRN399.1
/N23984995: Q11.3 RN34.3 RN34.7
/N25341972: C2677.2 C2679.1 R2669.1 R2670.2 R2671.2
/N25342051: R2654.2 U1306.8
/N25342082: R2657.2 U1306.6
/N25461900: C1768.1 Q872.3 R1653.2 R1655.2 R1656.2
/N25759847: D3.1 Q6.1 R65.1 R67.2
/N25871018: PQ883.1 PR3238.1
/N25871034: PQ882.3 PR3236.2 PR3238.2 PRN395.6
/N25874138: PQ882.1 PRN395.8
/N28265204: C1684.1 LAN_USB34.9 R1580.1
/N29599546: PC40.1 PR75.1 PR79.2 PU7.3
/N29599608: PC39.2 PRN4.3 PU7.2
/N29599688: PQ24.1 PRN4.6 PU7.1
/N29599764: PRN4.2 PRN4.4
/N29835023: LGA775.519 R495.1
/N32131253: C1683.1 LAN_USB34.18
/N32588987: U15.3 U15.5
/N33384638: PC250.1 PR251.1 PR253.2 PU7.5
/N33384793: PC251.1 PR252.1 PU7.6
/N33384881: PQ879.1 PRN4.8 PU7.7
/N34489709: F9.2 L100.1
/N38377291: PC11.2 PR24.1
/N45114889: Q1.1 R3.2
/N46082272: C3.1 C4.1 C7.1 L2.2 U17.265 U17.267 U17.269 U17.289 U17.290 U17.291 U17.292 U17.293 U17.308 U17.320
/N46102702: R255.1 U17.24
/N46102795: R256.1 U17.194
/N46103172: R260.1 U17.220
/N46103214: R251.1 R259.1 U17.195
/N46380815: C238.2 C240.2 L6.2 U17.45
/N47322972: R13.1 U17.228
/N47333924: R261.1 U17.185
/N48152292: R249.2 U17.71
/N50398676: LGA775.518 TP20.1
/N50496956: Q26.3 R767.1
/N50858609: R770.1 U50.68
/N50873956: R772.1 U50.72
/N52299202: Q2117.1 RN8.5
/N52360518: Q36.1 R795.2
/N53238879: D3009.2 U15.8
/N53242484: R802.1 R3230.1 U48.19
/N53366164: R3231.2 U47.25
/N53371883: C3278.1 C3279.1 C3280.1 L109.1 U47.36
/N54391597: C20.1 C21.1 R79.1 R802.2
/N235117381: PQ879.3 PR254.1

Pads without a net: AGP1 1 2 3; ATX12V1 5; ATXPWR1 21 22; AUDIO1 40; CHA_FAN1 4; CPU_FAN1 5; H1 9; H2 9; H3 9; H4 9; H5 9; H6 9; H7 9; H8 9; HEATSINK1 1 2; ITP1 61 62; LGA775 1 2 3 4; PCI2 1 2; WOL1 4; WOR1 4
